# KiCad board LightBlue.kicad_pcb (continued)
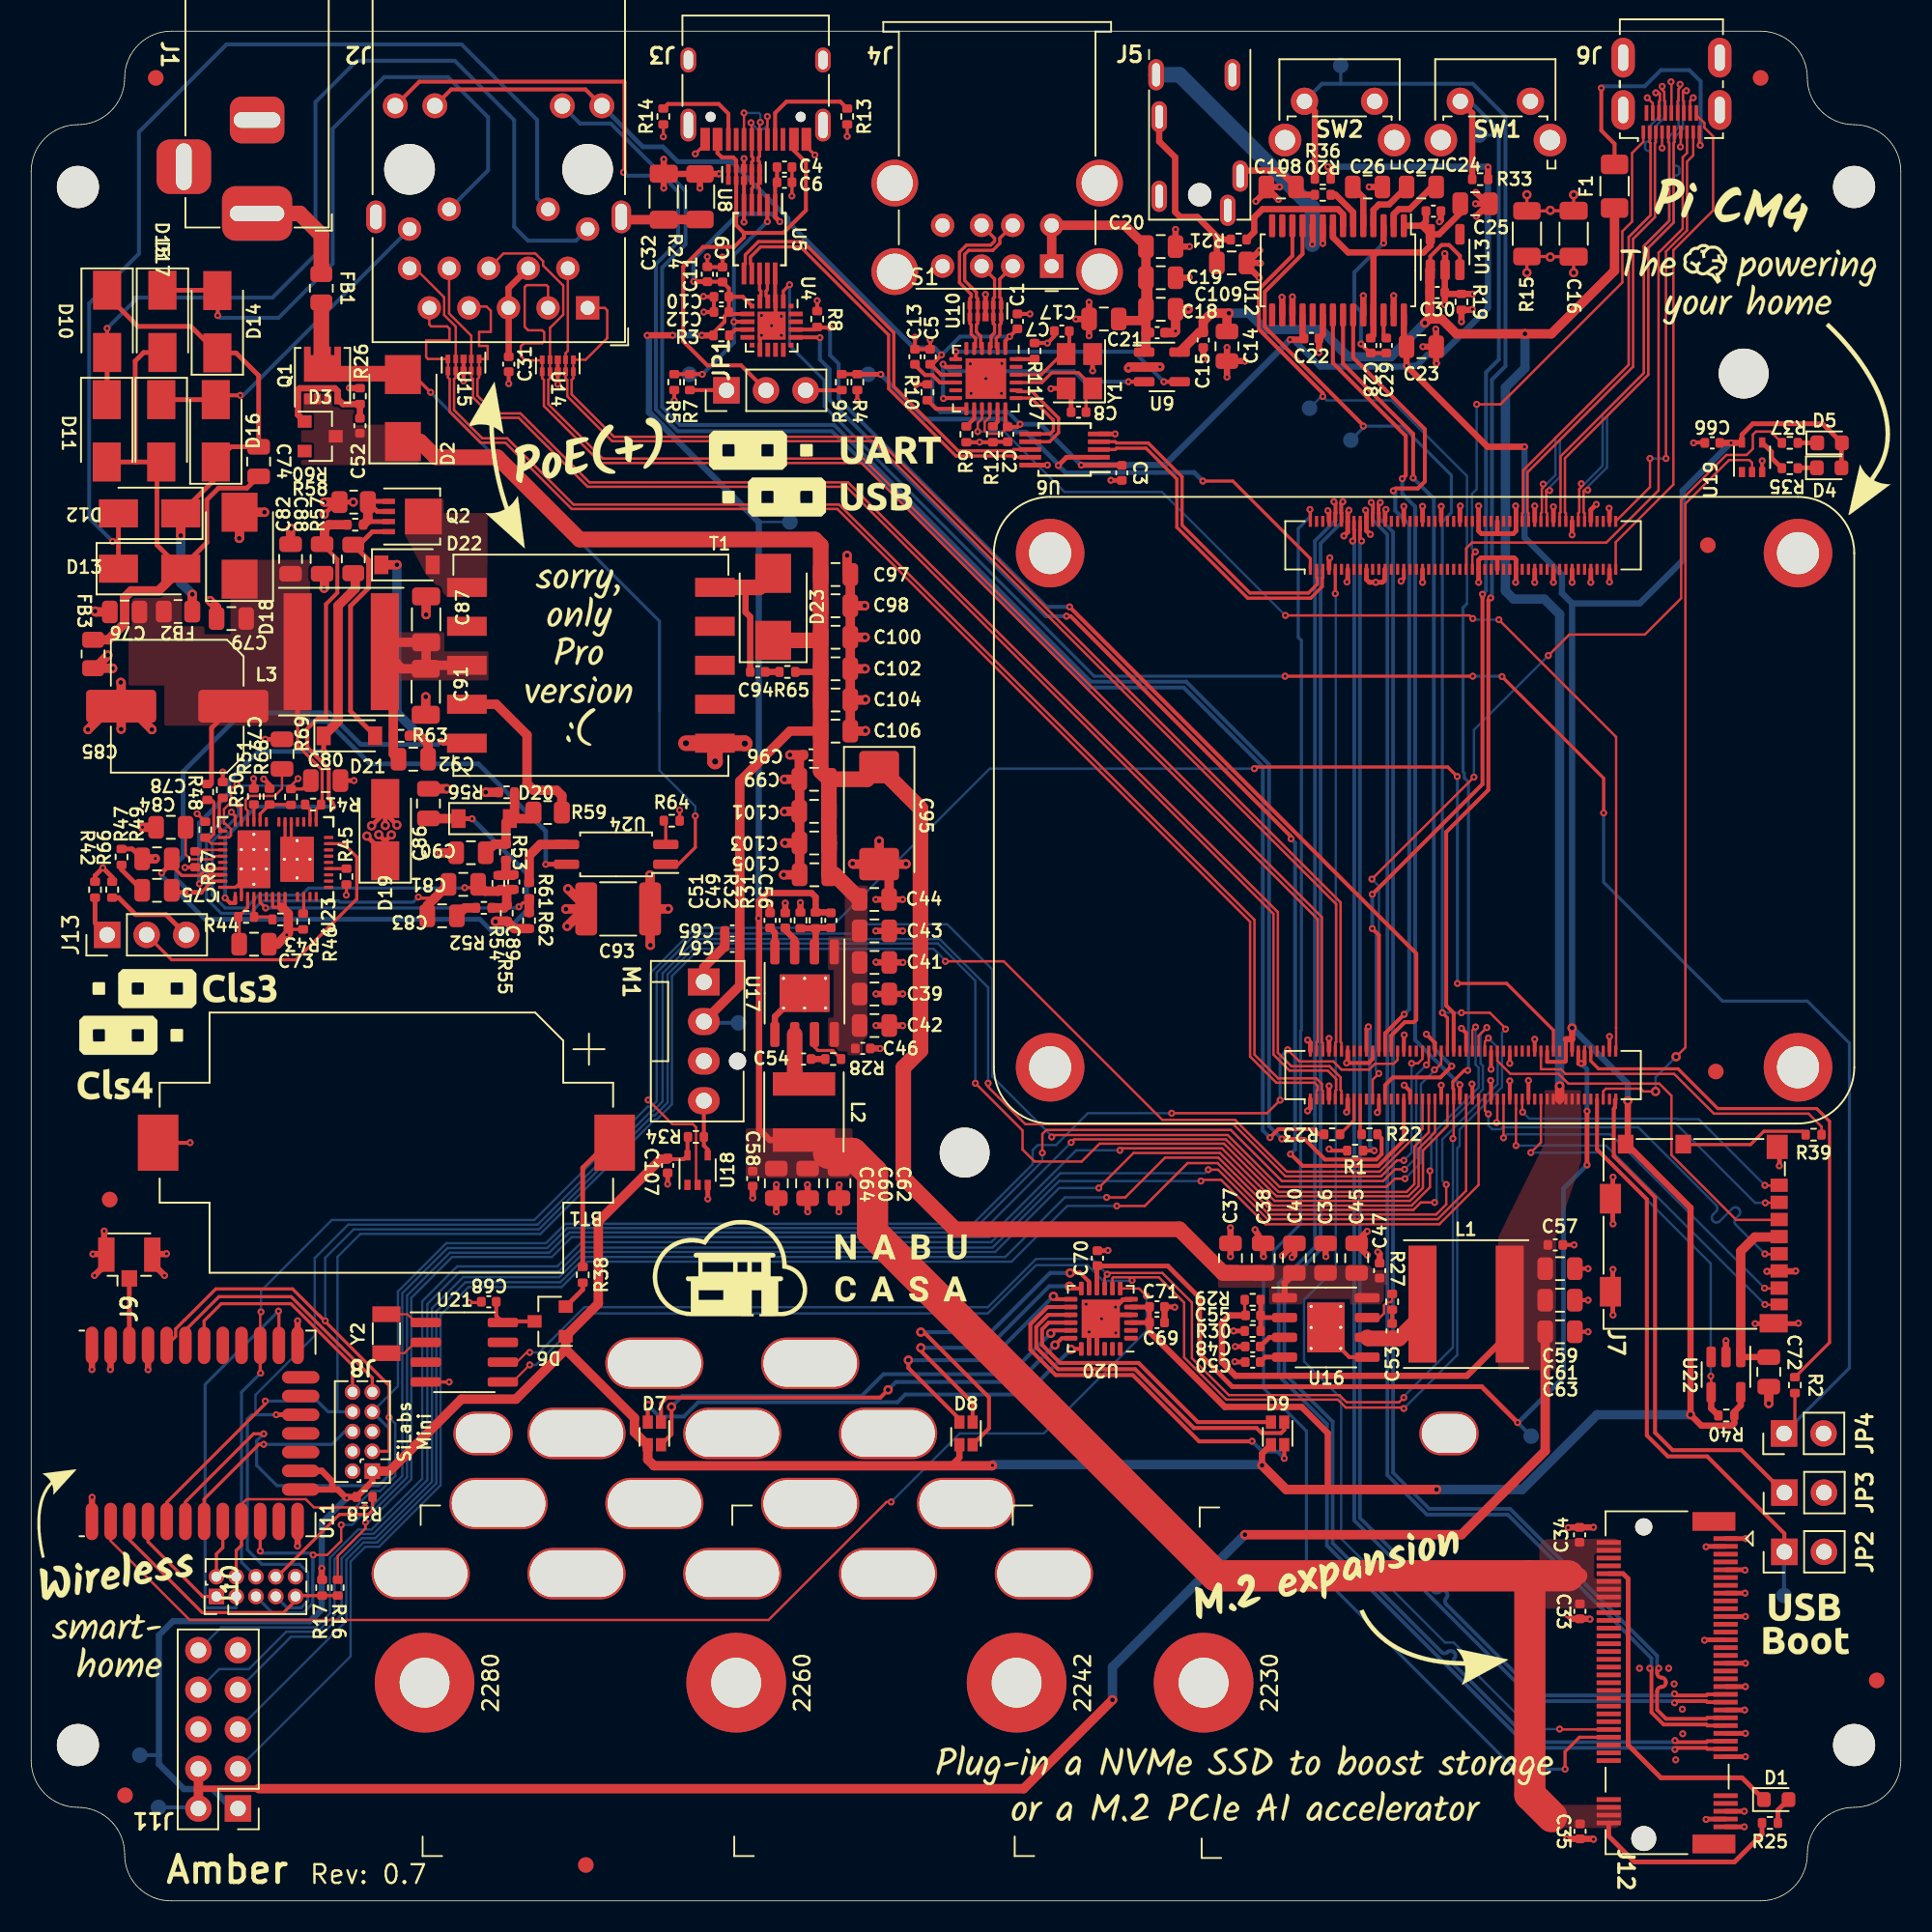
[diagram p0: board, top side]
## Routing (per net, layer and track width the routed paths; a pad name or vN(x,y) marks a point on that pad's centre or on a via; arc(x,y) is an arc through that point) (continued)
  Bottom w0.15: 10.73,13.54 12.06,14.88 13.98,14.88 16.37,17.27 18.39,17.27 19.48,18.36 19.48,21.92 21.1,23.55 21.97,23.55 25.42,27 25.42,38.3 27.52,40.4 33.88,40.4 35.4,41.92 61.7,41.92 65.97,46.2 v2(75.08,46.2)
/CM4/GPIO15: length 110.9
  Top w0.15: v2(75.55,46.92) 76.18,46.92 79.35,43.75 90.28,43.75 92.1,45.58 U1.51
  Bottom w0.15: J11.10 12.2,17.55 18.27,17.55 19.17,18.45 19.17,22.02 20.99,23.83 21.84,23.83 25.1,27.09 25.1,38.47 27.34,40.72 33.77,40.72 35.33,42.28 61.62,42.28 66.05,46.7 75.33,46.7 v2(75.55,46.92)
/CM4/HDMI.CEC: length 39
  Top w0.15: J6.15 106.28,112.18 106,111.9 106,107.33 104.45,105.78 104.45,90.53 101.1,87.17 92.47,87.17 92.1,86.8 U1.151
/CM4/HDMI.CLK+: length 32.8
  Top w0.154: v2(105.83,116.59) 105.83,116.38 105.73,116.28 105.73,115.56 105.68,115.5 J6.12 ; U1.188 99.3,89.07 99.36,89.12 99.36,90.61 99.5,90.74 v2(99.5,90.95)
  Bottom w0.154: v2(99.5,90.95) 99.71,90.95 100.86,92.11 100.86,95.43 103.51,98.08 103.51,106.21 105.13,107.83 105.13,113.23 105.73,113.83 105.73,116.28 105.83,116.38 v2(105.83,116.59)
/CM4/HDMI.CLK-: length 32.7
  Top w0.154: J6.14 106.07,115.5 106.02,115.56 106.02,116.17 106.03,116.18 v2(106.24,116.18) ; v2(99.9,90.55) 99.69,90.55 99.64,90.49 99.64,89.12 99.7,89.07 U1.190
  Bottom w0.154: v2(99.9,90.55) 99.9,90.76 101.14,91.99 101.14,95.32 103.79,97.97 103.79,106.09 105.42,107.72 105.42,110.57 arc(105.47,110.7) 105.6,110.75 arc(105.73,110.81) 105.79,110.94 105.79,111.17 arc(105.73,111.3) 105.6,111.35 arc(105.47,111.41) 105.42,111.54 105.42,113.12 106.02,113.72 106.02,116.17 106.03,116.18 v2(106.24,116.18)
/CM4/HDMI.D0+: length 27.9
  Top w0.154: U1.182 98.1,89.07 98.16,89.12 98.16,92.71 103.51,98.06 103.51,106.21 105.13,107.83 105.13,112.83 105.07,112.89 J6.9
/CM4/HDMI.D0-: length 27.9
  Top w0.154: U1.184 98.5,89.07 98.44,89.12 98.44,92.59 103.79,97.94 103.79,106.09 105.42,107.72 105.42,112.83 105.47,112.89 J6.11
/CM4/HDMI.D1+: length 33
  Top w0.154: v2(97.05,90.93) 97.05,90.72 96.96,90.63 96.96,89.12 96.9,89.07 U1.176 ; J6.6 104.47,115.5 104.53,115.56 104.53,115.99 104.48,116.05 v2(104.27,116.05)
  Bottom w0.154: v2(104.27,116.05) 104.48,116.05 104.53,115.99 104.53,114.56 103.96,113.98 103.96,113.11 arc(103.9,112.98) 103.77,112.92 arc(103.64,112.87) 103.59,112.73 103.59,112.51 arc(103.64,112.38) 103.77,112.32 arc(103.9,112.27) 103.96,112.13 103.96,108.21 102.53,106.78 102.53,98.58 97.83,93.88 97.83,91.51 97.26,90.93 v2(97.05,90.93)
/CM4/HDMI.D1-: length 33
  Top w0.154: J6.8 104.88,115.5 104.82,115.56 104.82,116.11 104.68,116.24 v2(104.68,116.45) ; v2(97.45,90.52) 97.24,90.52 97.24,90.52 97.24,89.12 97.3,89.07 U1.178
  Bottom w0.154: v2(104.68,116.45) 104.68,116.24 104.82,116.11 104.82,114.44 104.24,113.87 104.24,108.09 102.82,106.67 102.82,98.47 98.12,93.77 98.12,91.39 97.45,90.73 v2(97.45,90.52)
/CM4/HDMI.D2+: length 28.4
  Top w0.154: J6.3 103.88,112.89 103.93,112.83 103.93,108.18 102.53,106.78 102.53,98.58 95.76,91.81 95.76,89.12 95.7,89.07 U1.170
/CM4/HDMI.D2-: length 28.4
  Top w0.154: J6.5 104.28,112.89 104.22,112.83 104.22,108.07 102.82,106.67 102.82,98.47 96.04,91.69 96.04,89.12 96.1,89.07 U1.172
/CM4/HDMI.HPD: length 33.7
  Top w0.15: U1.153 92.5,86.4 v2(92.69,86.59) ; J6.1 103.47,112.9 102.75,112.17 102.75,107.78 102.13,107.15 102.13,103.88 94.3,96.05 v2(92.78,96.05)
  Bottom w0.15: v2(92.69,86.59) 92.47,86.8 92.47,89.75 92.48,89.75 92.48,90.3 92.78,90.6 v2(92.78,96.05)
/CM4/HDMI.SCL: length 27.6
  Top w0.15: v2(104.93,92.58) 104.93,105.86 106.28,107.21 106.28,111.63 106.68,112.03 J6.17 ; v2(103.9,92.58) 103.9,90.74 U1.200
  Bottom w0.15: v2(103.9,92.58) v2(104.93,92.58)
/CM4/HDMI.SDA: length 32.3
  Top w0.15: U1.199 101.7,87.2 105.4,90.9 105.4,105.94 107.95,108.49 107.95,113.25 107.39,113.81 107.39,114.11 106.88,114.62 J6.18
/CM4/PCIe.CLK+: length 102.2
  Top w0.238: v2(83.61,89.8) 83.72,89.69 83.72,89.08 83.7,89.07 U1.110 ; J12.55 107.59,9.75 107.52,9.82 105.61,9.82 v2(105.5,9.71)
  Bottom w0.238: v2(83.61,89.8) 83.72,89.69 83.72,88.6 82.39,87.28 82.39,55.48 82.4,55.48 82.4,50.47 82.39,50.47 82.39,41.95 80.07,39.63 80.07,33.7 83.17,30.6 83.17,22.8 96.15,9.82 105.39,9.82 v2(105.5,9.71)
/CM4/PCIe.CLK-: length 102.3
  Top w0.238: J12.53 107.59,10.25 107.52,10.18 105.61,10.18 v2(105.5,10.29) ; v2(84.19,89.8) 84.08,89.69 84.08,89.08 84.1,89.07 U1.112
  Bottom w0.238: v2(105.5,10.29) 105.39,10.18 96.3,10.18 91.34,15.15 arc(91.25,15.34) 91.34,15.54 arc(91.42,15.74) 91.34,15.94 91.31,15.97 arc(91.11,16.05) 90.91,15.97 arc(90.71,15.88) 90.52,15.97 83.53,22.95 83.53,30.75 80.43,33.85 80.43,39.47 82.76,41.8 82.76,50.32 82.76,50.32 82.76,55.63 82.76,55.63 82.76,87.12 84.08,88.45 84.08,89.69 v2(84.19,89.8)
/CM4/PCIe.RX+: length 93
  Top w0.238: v2(105.47,12.71) 105.58,12.82 107.52,12.82 107.59,12.75 J12.43 ; v2(84.81,87.28) 84.92,87.38 84.92,88 84.9,88.01 U1.116
  Bottom w0.238: v2(84.81,87.28) 84.92,87.17 84.92,24.42 96.52,12.82 105.37,12.82 v2(105.47,12.71)
/CM4/PCIe.RX-: length 93
  Top w0.238: J12.41 107.59,13.25 107.52,13.18 105.58,13.18 v2(105.47,13.29) ; U1.118 85.3,88.01 85.28,88 85.28,87.38 v2(85.39,87.28)
  Bottom w0.238: v2(85.39,87.28) 85.28,87.17 85.28,24.58 90,19.85 arc(90.2,19.77) 90.4,19.85 arc(90.6,19.94) 90.8,19.85 90.82,19.83 arc(90.91,19.63) 90.82,19.43 arc(90.74,19.23) 90.82,19.03 96.68,13.18 105.37,13.18 v2(105.47,13.29)
/CM4/PCIe.TX+: length 94.6
  Top w0.238: v2(86.01,89.75) 86.12,89.64 86.12,89.08 86.1,89.07 U1.122 ; J12.49 107.59,11.25 107.52,11.32 104.77,11.32 103.99,12.1 103.99,14.82 v2(103.89,14.93)
  Bottom w0.238: v2(86.01,89.75) 86.12,89.64 86.12,88.62 87.04,87.7 87.04,27.33 89.58,24.79 94.77,24.79 103.99,15.57 103.99,15.03 v2(103.89,14.93)
/CM4/PCIe.TX-: length 94.6
  Top w0.238: v2(86.59,89.75) 86.48,89.64 86.48,89.08 86.5,89.07 U1.124 ; J12.47 107.59,11.75 107.52,11.68 104.93,11.68 104.36,12.25 104.36,13.45 arc(104.44,13.65) 104.64,13.73 arc(104.84,13.81) 104.92,14.01 104.92,14.05 arc(104.84,14.25) 104.64,14.33 arc(104.44,14.41) 104.36,14.61 104.36,14.82 v2(104.46,14.93)
  Bottom w0.238: v2(86.59,89.75) 86.48,89.64 86.48,88.78 87.41,87.85 87.41,27.48 89.73,25.16 94.93,25.16 104.36,15.73 104.36,15.03 v2(104.46,14.93)
/CM4/PCIe.~{CLKREQ}: length 97.2
  Top w0.2: J12.52 99.38,10.5 98.45,9.57 v2(98.45,8.45) ; v2(82.08,89.3) 82.1,89.28 U1.102
  Bottom w0.2: v2(98.45,8.45) 95.22,8.45 81.85,21.82 81.85,30.15 79.1,32.9 79.1,40.22 79.78,40.9 79.78,41.75 81.47,43.45 81.47,55.83 81.53,55.88 81.53,80.9 81.33,81.1 81.33,88.08 82.08,88.83 v2(82.08,89.3)
/CM4/PCIe.~{RST}: length 86.7
  Top w0.15: v2(98.1,11.03) 98.12,11 J12.50
  Top w0.2: U1.109 v2(83.7,83.9)
  Bottom w0.15: v2(98.1,11.03) 96.3,11.03 92,15.32 92,15.88 91.3,16.57 90.75,16.57 84.08,23.25 84.08,32.25 81.7,34.63 81.7,38.56 83.11,39.97 83.28,39.97 83.73,40.43 83.73,83.87 v2(83.7,83.9)
/CM4/RESET_CM4: length 126.3
  Top w0.2: v2(100.93,69.83) 100.93,72.05 v2(94.4,78.58) ; R2.2 113.2,30.7 JP4.1 ; U4.2 48.28,103.33 v2(48.67,103.72) ; v2(80.47,78.6) v2(92.53,78.6)
  Bottom w0.2: v2(94.4,78.58) 94.38,78.6 v2(92.53,78.6) ; v2(48.67,103.72) 48.67,99.83 50.9,97.6 50.9,95.93 68.22,78.6 v2(80.47,78.6) ; JP4.1 116.7,34.2 116.7,55.05 114,57.75 108.55,57.75 100.93,65.38 v2(100.93,69.83)
/CM4/RUN_PG: length 34.9
  Top w0.2: R2.1 115.43,35.83 115.43,50.03 114.6,50.85 108.25,50.85 105.7,53.4 100.6,53.4 100.1,53.9 U1.92
/CM4/SD.CLK: length 26.8
  Top w0.15: v2(93.53,50.5) 93.3,50.72 U1.57 ; 112.34,41.5 111.29,41.5 v2(111.28,41.53)
  Bottom w0.15: v2(111.28,41.53) 109.41,43.39 109.37,43.43 109.33,43.54 109.33,43.66 109.37,43.77 109.41,43.81 109.6,44 109.64,44.04 109.68,44.15 109.68,44.27 109.64,44.38 109.6,44.42 109.55,44.46 109.45,44.51 109.33,44.51 109.22,44.46 109.17,44.42 108.38,43.63 108.33,43.59 108.22,43.54 108.11,43.54 108,43.59 107.95,43.63 107.91,43.67 107.87,43.78 107.87,43.9 107.91,44.01 107.95,44.05 108.14,44.24 108.18,44.28 108.22,44.39 108.22,44.51 108.18,44.62 108.14,44.66 103.15,49.65 94.45,49.65 94.32,49.52 93.78,49.52 93.53,49.78 v2(93.53,50.5)
/CM4/SD.CMD: length 25.3
  Top w0.15: 112.34,43.7 109.43,43.7 105.28,47.86 105.28,51.67 104.5,52.45 98.66,52.45 98.03,53.08 94.94,53.08 94.1,53.92 U1.62
/CM4/SD.D0: length 24.5
  Top w0.15: v2(111.25,39.33) 111.27,39.31 112.34,39.31 ; v2(94.5,48.97) U1.63
  Bottom w0.15: v2(94.5,48.97) 94.72,49.2 101.38,49.2 v2(111.25,39.33)
/CM4/SD.D1: length 24.3
  Top w0.15: v2(95.3,48.47) 95.3,48.48 95.3,50.83 95.3,50.83 U1.67 ; 112.34,38.25 111.29,38.25 v2(111.28,38.28)
  Bottom w0.15: v2(111.28,38.28) 101.07,48.47 v2(95.3,48.47)
/CM4/SD.D2: length 19.4
  Top w0.15: 112.34,45.91 111.29,45.91 v2(111.28,45.92) ; v2(95.72,50.62) 95.7,50.65 U1.69
  Bottom w0.15: v2(111.28,45.92) 107.03,50.17 105.67,50.17 105.64,50.2 96.15,50.2 v2(95.72,50.62)
/CM4/SD.D3: length 22
  Top w0.15: 112.34,44.81 111.31,44.81 v2(111.3,44.8) ; v2(94.05,49.95) 94.1,50 94.1,51.46 U1.61
  Bottom w0.15: v2(111.3,44.8) 110.65,44.8 105.52,49.93 94.07,49.93 v2(94.05,49.95)
/CM4/SD.DET: length 21.2
  Top w0.15: R39.2 114.91,49.69 114.07,50.53 108,50.53 105.45,53.08 98.47,53.08 98.18,53.38 96.92,53.38 96.9,53.4 U1.76
/CM4/SD.PWR: length 28.2
  Top w0.15: 107.82,32.64 107.82,33.65 v2(107.8,33.67) ; U1.75 96.9,48.67 v2(96.25,48.03)
  Top w0.4: 107.82,32.64 107.82,31.61 R40.2
  Bottom w0.15: v2(107.8,33.67) 107.8,40.9 100.68,48.03 v2(96.25,48.03)
/CM4/~{EXTRST}: length 70.8
  Top w0.15: v2(80.5,82.5) 92.33,82.5 v2(92.53,82.3) ; U1.100 101.7,54.65 101.73,54.68 101.73,56.05 101.72,56.05 101.72,74.7 v2(94.2,82.22) ; U7.15 61.03,95.13 60.75,94.85 v2(60.75,94.3)
  Bottom w0.15: v2(94.2,82.22) 92.6,82.22 v2(92.53,82.3) ; v2(80.5,82.5) 72.58,90.42 66.32,90.42 62.44,94.3 v2(60.75,94.3)
/CM4/~{FAN_PWM}: length 95.3
  Top w0.15: U18.2 42.67,46.05 42.67,49.65 42.47,49.85 41.15,49.85 v2(39.6,51.4)
  Top w0.2: v2(91.53,72.16) 90.92,72.77 78.61,72.77 v2(78.51,72.67) ; v2(91.54,58.88) 94.7,58.88 97.7,55.88 U1.80
  Bottom w0.15: v2(78.51,72.67) 61.52,72.67 51.31,62.45 42.63,62.45 39.72,59.54 39.72,51.53 v2(39.6,51.4)
  Bottom w0.2: v2(91.53,72.16) 91.54,72.15 v2(91.54,58.88)
/CM4/~{LED_ACT}: length 59.1
  Top w0.15: U1.21 86.1,52.7 v2(86.5,53.1) ; v2(86.05,65.58) v2(92.6,72.12) ; v2(97.38,79.92) 98.72,81.28 103.57,81.28 105.9,83.6 105.9,89.9 108.8,92.8 110.1,92.8 110.5,93.2 110.5,94.1 110.7,94.3 111.64,94.3 R37.2
  Bottom w0.15: v2(86.5,53.1) 86.3,53.3 86.3,61.92 86.5,62.13 86.5,65.12 v2(86.05,65.58) ; v2(92.6,72.12) 92.6,75.15 v2(97.38,79.92)
/CM4/~{LED_PWR}: length 48.6
  Top w0.15: U19.2 110.45,92.3 110.28,92.47 108.97,92.47 106.18,89.67 106.18,54.78 v1(105.57,54.17) ; v1(104.26,51.95) 103.48,51.95 103.3,52.12 101.06,52.12 100.9,51.96 U1.95
  Bottom w0.15: v1(104.26,51.95) 104.26,52.86 v1(105.57,54.17)
/CM4/~{RPI_BOOT}: length 38.3
  Top w0.25: U1.93 100.5,48.22 103.7,45.03 103.7,29.88 105.05,28.53 107.57,28.53 112.53,23.58 JP2.1
  Bottom w0.25: JP2.1 112.5,22.38 TP1.1
/CM4/~{SW_USER}: length 72.5
  Top w0.25: v2(93.15,83.86) 93.15,83.63 93.15,83.63 93.15,71.67 v2(86.08,64.6) ; U1.24 86.5,61.97 v2(86.08,62.4)
  Top w0.4: R33.1 92.49,114.73 SW1.1
  Bottom w0.2: 94.2,113.28 94.15,113.33 TP4.1
  Bottom w0.25: v2(93.15,83.86) 93.38,84.09 93.38,98.1 94.2,98.92 94.2,113.65 92.35,115.5 SW1.1 ; v2(86.08,62.4) v2(86.08,64.6)
/CM4/~{SW_WIPE}: length 82.4
  Top w0.25: U1.48 91.3,56.98 90.82,57.46 90.82,68.59 93.53,71.3 93.53,83.47 v2(93.67,83.62)
  Top w0.4: SW2.1 82.39,114.84 R36.1
  Bottom w0.2: 84.03,116.63 84.05,116.65 TP5.1
  Bottom w0.25: v2(93.67,83.62) 93.75,83.7 93.75,97.63 94.62,98.5 94.62,114.53 92.52,116.63 82.85,116.63 SW2.1
/Ethernet/ETH_SHLD: length 42.2
  Top w0.6: J2.SH 38.06,107.9 C32.1 40.61,107.91 R24.2
  In2.Cu w0.4: J2.SH 21.44,108.77 21.44,116.77 22.57,117.9 38.18,117.9 39.33,116.75 39.33,109.53 J2.SH
/Ethernet/VC1: length 57.5
  Top w0.25: v2(4.88,100.92) D10.2
  Top w0.3: D10.2 4.88,96.38 D11.1
  Bottom w0.25: J2.11 34.97,106.55 31.89,106.55 31,107.44 31,114.29 27.19,118.1 20.9,118.1 18.25,115.45 18.25,105.66 15.49,102.9 6.68,102.9 6.68,102.73 v2(4.88,100.92)
/Ethernet/VC2: length 68.1
  Top w0.25: 5.6,87.3 5.27,87.3 v2(5.23,87.25)
  Top w0.3: D12.2 D13.1
  Bottom w0.25: J2.12 32.48,109.27 32.48,114.3 27.62,119.15 12.54,119.15 6.92,113.53 6.92,105.72 3.73,102.53 3.73,88.75 v2(5.23,87.25)
/Ethernet/VC3: length 42
  Top w0.25: v2(11.98,101.75) 11.98,103.33 D14.2
  Top w0.3: D14.2 11.92,103.38 D15.1
  Bottom w0.25: v2(11.98,101.75) 12.13,101.6 15.88,101.6 19.35,105.08 19.35,113.74 22.66,117.05 26.76,117.05 29.33,114.48 29.33,111.07 J2.13
/Ethernet/VC4: length 20.5
  Top w0.25: v2(13.43,96.62) 12.12,96.62 D16.2
  Top w0.3: D17.1 D16.2
  Bottom w0.25: v2(13.43,96.62) 13.44,96.63 13.62,96.63 24.28,107.3
/PoE/APD: length 18.8
  Top w0.2: v2(15.05,63.72) 14.7,64.08 U23.5 ; 31.97,64.06 31.56,64.06 v2(31.3,63.8)
  Top w0.6: R61.2 31.97,63.43 R62.1
  Bottom w0.2: v2(15.05,63.72) 31.23,63.72 v2(31.3,63.8)
/PoE/CLS: length 20.6
  Top w0.2: J13.2 9.02,60.4 17,60.4 20.9,64.3 20.9,67 20.05,67.85 U23.21
/PoE/COMP: length 25.1
  Top w0.2: v2(24.85,64.42) 24.92,64.35 25.9,64.35 ; v2(12.85,69.88) 13.09,69.63 U23.35
  Top w0.6: C81.2 25.42,63.88 C83.2
  Bottom w0.2: v2(24.85,64.42) 24.52,64.1 19.8,64.1 19.72,64.18 14.83,64.18 14.03,63.38 12.2,63.38 11.25,64.33 11.25,68.27 v2(12.85,69.88)
/PoE/CP: length 34.4
  Top w0.2: 9.16,64.72 10.92,64.72 11.64,65.45 U23.44
  Top w0.3: T1.1 26.42,74.3 v2(26.3,74.42) ; 10.92,64.72 v2(10.17,64.72) 9.16,64.72 9.02,64.86
  Bottom w0.3: v2(10.17,64.72) 9.33,65.58 9.33,66.6 9.75,67.03 9.75,72.47 13.52,76.25 19.12,76.25 21.15,74.22 26.1,74.22 v2(26.3,74.42)
/PoE/CS: length 34.3
  Top w0.25: U23.1 13.09,64.05 12.77,64.05 v2(12.44,64.37) ; v2(19.35,70.22) 19.35,70.49 19.1,70.74 19.1,72.65 17.73,74.03 17.73,75.23 18.45,75.95 18.92,75.95 18.92,83.22 19.65,83.95 19.65,86.1 C88.1
  Top w0.6: 18.83,87.08 18.83,88.05 19.1,88.33 R58.1
  Bottom w0.25: v2(12.44,64.37) 12.45,64.38 12.45,68.24 14.44,70.22 v2(19.35,70.22)
/PoE/DC_IN_F: length 50.7
  Top w0.2: D2.2 24.5,97.96 v2(25.64,96.82) ; v2(42.62,69.64) 42.62,67.61 41.55,66.53 U24.1
  Top w1: FB1.2 18.62,98.05 18.66,98.02 23.8,98.02 D2.2
  Bottom w0.15: v2(42.62,69.64) 42.62,70.25 40.33,72.55 40.33,76.39
  Bottom w0.2: v2(25.64,96.82) 40.33,82.14 40.33,76.39
/PoE/DTHR: length 3.3
  Top w0.2: C73.1 13.35,63.09 R44.1 13.9,63.75 U23.3
/PoE/FB: length 30.4
  Top w0.2: v2(13.27,70.38) 13.47,70.18 13.47,69.27 U23.34 ; v2(27.83,65.03) 28.47,65.03 C81.1
  Top w0.6: 30.59,64.91 30.52,64.84 R55.1 30.35,63.73 R52.1 ; 30.59,64.91 C89.2 ; 30.59,64.91 30.09,64.91 R54.2 29.12,64.8 C81.1
  Bottom w0.2: v2(27.83,65.03) 27.8,65 17.8,65 17.35,64.55 14.6,64.55 13.77,63.72 12.45,63.72 11.62,64.55 11.62,68 13.3,69.68 13.3,70.35 v2(13.27,70.38)
/PoE/LINEUV: length 4.2
  Top w0.15: U23.38 11.56,67.85 R49.1
  Top w0.2: 11.58,70.66 11.72,70.51 11.72,68.47 11.49,68.24 R49.1
/PoE/N1B: length 16.9
  Top w0.6: 25.35,79.1 C87.1 23.3,80.78 L3.2 23.8,79.08 25.33,79.08 25.55,79.3 T1.3 ; 23.24,79.64 R63.1 23.24,73.61 23.58,73.28
/PoE/V_{REG}: length 6.8
  Top w0.6: D20.2 30.48,69.21 R53.1 29.73,67.82 C90.1 ; D20.2 31.02,69.76 R56.1 ; D20.2 31.85,69.46 R59.1
/PoE/VB: length 11
  Top w0.15: U23.37 12.7,68.25 12.83,68.38 12.83,68.78 12.48,69.12 12.4,69.12 12.38,69.15 12.38,70.06 12.83,70.51 12.83,71.47 13.02,71.47 v2(13.2,71.65) ; R69.2 16.67,71.58 v2(17.12,72.03)
  Top w0.2: R69.2 17.41,71.36 C80.1
  Bottom w0.15: v2(17.12,72.03) 16.67,71.57 13.28,71.57 v2(13.2,71.65)
/SCL: length 155.1
  Top w0.127: v2(32,35.2) 31.8,35.2 31.17,34.58 30.27,34.58
  Top w0.15: v2(88.1,32.3) 87.8,32 84.42,32 83.97,32.46 76.87,32.46 74.5,34.83 74.5,38.4 72.6,40.3 69.21,40.3 68.9,39.99 U20.9 ; 91.2,48.97 v2(91.25,48.92) 91.3,48.97 U1.47 ; v2(69.06,40.22) 69.06,40.15
  Top w0.2: U1.47 91.3,52.1 91.25,52.15 91.25,52.57 91.97,53.3 v2(92.2,53.3)
  Top w0.25: v2(82.9,96.55) 82.9,96.76 78.8,100.86 78.8,103.43 80.95,105.58 U12.12
  Bottom w0.15: 92.15,83.25 92.15,91.45 87.3,96.3 83.15,96.3 v2(82.9,96.55) 82.8,96.55 TP11.1 ; v2(91.25,48.92) 91.25,35.53 88.1,32.38 v2(88.1,32.3) ; v2(69.06,40.22) 68.08,41.2 64.5,41.2 61.4,38.1 35.5,38.1 32.6,35.2 v2(32,35.2)
  Bottom w0.2: 92.15,83.25 91.9,83 91.9,72.46 91.98,72.38 91.98,72.08 92.25,71.81 92.25,53.35 v2(92.2,53.3)
/SDA: length 162.7
  Top w0.127: U21.5 30.91,33.31 v2(32,34.4)
  Top w0.15: v2(94.62,55.95) 94.62,56 93.62,57 v2(91.8,57) ; v2(88.1,31.6) 88.04,31.66 84.37,31.66 83.86,32.17 76.71,32.17 74,34.88 74,38.4 72.38,40.02 70.51,40.02 ; 70.51,40.02 69.46,40.02 69.4,39.96 U20.8 ; 70.51,40.02 70.51,39.97 v2(70.66,39.82)
  Top w0.2: U1.46 90.9,56.67 v2(90.58,57)
  Top w0.25: U12.11 81.6,105.7 79.17,103.28 79.17,101.02 85.5,94.7 v2(85.5,94.65)
  Bottom w0.15: v2(70.66,39.82) 70.63,39.79 68.81,39.79 67.8,40.8 64.5,40.8 61.4,37.7 35.7,37.7 32.4,34.4 v2(32,34.4) ; v2(90.58,57) v2(91.8,57) ; v2(94.62,55.95) 94.4,55.73 94.4,54.45 94.4,54.45 94.4,52.23 91.68,49.5 91.68,48.45 91.53,48.3 91.53,35.03 v2(88.1,31.6)
  Bottom w0.2: TP12.1 85.5,94.55 v2(85.5,94.65) 88,94.65 91.15,91.5 91.15,89.1 90.58,88.53 v2(90.58,57)
/SDCard/SD_+3V3: length 11.6
  Top w0.4: C72.1 109.74,34.9
  Top w0.6: 112.34,42.61 110.63,42.61 109.72,41.7 U22.1
/USB/CP.D+: length 1.5
  Top w0.206: U5.9 47.25,103.4 47.17,103.32 47.17,102.98
/USB/CP.D-: length 1.5
  Top w0.206: U5.8 46.75,103.4 46.83,103.32 46.83,102.98
/USB/HUB.D+: length 6.5
  Top w0.206: U6.7 65.36,93.65 65.94,94.23 65.94,95.17 64.24,96.87 63.3,96.87 U7.20
/USB/HUB.D-: length 5.2
  Top w0.206: U7.19 64.19,96.45 65.61,95.03 65.61,94.37 65.39,94.15 U6.6
/USB/MUX2_SEL: length 16.1
  Top w0.25: v2(45.1,101.34) 45.11,101.35 U4.8 ; v2(43.08,97.97) 43.06,97.98 R7.2 R5.1 ; v2(47.25,107.78) U5.2
  Bottom w0.2: v2(43.08,97.97) TP2.1
  Bottom w0.25: v2(43.08,97.97) 45.1,100 v2(45.1,101.34) 45.1,105.63 v2(47.25,107.78)
/USB/OTG.D+: length 26.9
  Top w0.206: U6.9 63.07,92.65 62.99,92.73 59.36,92.73 55.03,97.06 55.03,100.51 49.38,106.16 46.82,106.16 46.17,105.51 46.17,105.08 46.25,105 U5.7
/USB/OTG.D-: length 27.5
  Top w0.206: U5.6 45.75,105 45.83,105.08 45.83,105.64 46.68,106.49 49.52,106.49 55.37,100.64 55.37,97.19 59.49,93.07 62.99,93.07 63.07,93.15 U6.8
/USB/USB0.D+: length 5.8
  Top w0.206: U7.3 61.61,99.72 61.61,100.42 61.83,100.64 61.83,101.16 61.75,101.24 U10.4 U10.7 61.75,102.84 61.83,102.92 61.83,104.09 J4.3
/USB/USB0.D-: length 5.8
  Top w0.206: U7.2 61.94,99.72 61.94,100.28 62.17,100.51 62.17,101.16 62.25,101.24 U10.5 U10.6 62.25,102.84 62.17,102.92 62.17,104.09 J4.2
/USB/USB1.D+: length 10.6
  Top w0.206: J4.7 61.83,106.71 61.83,106.52 61.58,106.27 60.03,106.27 59.58,105.82 59.58,103.86 60.33,103.11 60.33,102.92 60.25,102.84 U10.10 U10.1 60.25,101.24 60.33,101.16 60.33,100.56 60.61,100.28 60.61,99.72 U7.5
/USB/USB1.D-: length 10.6
  Top w0.206: U7.4 60.94,99.72 60.94,100.42 60.67,100.69 60.67,101.16 60.75,101.24 U10.2 U10.9 60.75,102.84 60.67,102.92 60.67,103.24 59.92,103.99 59.92,105.68 60.17,105.93 61.72,105.93 62.17,106.38 62.17,106.71 J4.6
/USB/USB-C.D+: length 8.7
  Top w0.15: v2(46.8,114.15) 46.75,114.1 J3.A6 ; J3.B6 v2(45.75,114.75)
  Top w0.206: U8.10 46.75,110.29 46.67,110.21 46.67,109.98 46.75,109.9 U5.3 ; J3.A6 46.75,111.97 46.67,111.88 46.67,111.68 46.75,111.6 U8.1
  Top w0.3: U8.10 U8.1
  Bottom w0.15: v2(46.8,114.15) 46.8,114.65 46.7,114.75 v2(45.75,114.75)
/USB/USB-C.D-: length 8.8
  Top w0.15: J3.B7 v2(47.25,114.53) ; v2(46.2,114.12) 46.25,114.1 J3.A7
  Top w0.206: U8.9 46.25,110.29 46.33,110.21 46.33,109.98 46.25,109.9 U5.4 ; J3.A7 46.25,111.97 46.33,111.88 46.33,111.68 46.25,111.6 U8.2
  Top w0.3: U8.9 U8.2
  Bottom w0.15: v2(46.2,114.12) 46.2,114.12 46.6,113.72 47,113.72 47.25,113.97 v2(47.25,114.53)
/USB/USB_PWR_EN: length 15.6
  Top w0.25: v2(72.7,97.5) U9.4 ; U7.7 59.34,99.41 v2(59.35,99.42)
  Bottom w0.25: v2(72.7,97.5) 70.78,99.42 v2(59.35,99.42)
/USB/~{USB_OC}: length 17.3
  Top w0.25: v2(58.55,96.42) 58.58,96.45 U7.12 ; v2(70.42,97.5) U9.3 ; U7.8 58.7,98.45 v2(58.53,98.62)
  Bottom w0.25: v2(58.55,96.42) 58.53,96.45 v2(58.53,98.62) 58.98,98.17 60.5,98.17 60.51,98.18 66.92,98.18 67.6,97.5 v2(70.42,97.5)
Earth: length 5.1
  Top w0.2: v1(99,109.5) C16.1 97.53,108.47 v1(97.5,108.5) 97.46,108.46 R15.2 v1(96,109.5)
Net-(BT1-Pad1): length 8.6
  Top w0.3: 37.02,48.66 35.4,47.04 R38.2
Net-(C7-Pad1): length 5.3
  Top w0.2: 66.42,99.28 66.15,99.28 64.83,97.95 U7.22
  Top w0.25: 66.42,99.28 66.63,99.48 C7.1
Net-(C8-Pad1): length 7.3
  Top w0.2: C8.1 67.7,96.66 68.12,97.08 68.12,97.17 67.22,98.08 65.5,98.08 64.88,97.45 U7.21
Net-(C13-Pad1): length 3.1
  Top w0.25: U7.10 58.33,97.45 57.85,97.92 57.38,97.92 56.72,98.58 C13.1
Net-(C26-Pad1): length 2.8
  Top w0.4: U12.5 85.5,109.33 C26.1
Net-(C27-Pad1): length 4.2
  Top w0.4: U12.2 87.45,108.25 87.78,108.58 88.48,108.58 89.9,110 C27.1
Net-(C27-Pad2): length 3.7
  Top w0.4: U12.4 86.15,108.53 86.5,108.88 87.15,108.88 88.28,110
Net-(C29-Pad2): length 1.6
  Top w0.25: U12.26 86.8,100.48 C29.2
Net-(C31-Pad2): length 6.2
  Top w0.4: J2.4 30.63,103.51 J2.5 30.65,102.22 C31.2
Net-(C48-Pad1): length 1.8
  Top w0.3: C48.1 79.47,36.17 U16.3
Net-(C49-Pad1): length 1.8
  Top w0.4: U17.3 49,61.72 48.4,62.32 C49.1
Net-(C50-Pad1): length 1.7
  Top w0.3: 80.45,34.9 79.2,34.9 C50.1
Net-(C51-Pad1): length 1.7
  Top w0.4: C51.1 47.73,62.14 U17.4
Net-(C52-Pad2): length 7.8
  Top w0.4: 21.1,95.16 21.1,96.06 20.01,96.06 Q1.4 19.67,96.9 19.5,97.08 17.23,97.08 17.12,96.97 17.12,95.38 D3.2
Net-(C53-Pad1): length 5
  Top w0.3: 85.78,36.19 U16.6
  Top w1: U16.6 85.82,36.09 C53.1 87.79,36.09 89.45,37.75 89.45,38.3
Net-(C53-Pad2): length 0.9
  Top w0.25: C53.2 R27.2
Net-(C54-Pad1): length 6.8
  Top w0.6: U17.6 49,54.12 C54.1 49.09,52.94 L2.1
  Top w1: U17.6 49,53.03 L2.1
Net-(C54-Pad2): length 0.9
  Top w0.4: R28.2 C54.2
Net-(C55-Pad2): length 3.6
  Top w0.3: U16.2 79.05,37.44 C55.2 78.91,37.58 R29.1 ; R30.2 78.91,37.57
Net-(C56-Pad2): length 3.5
  Top w0.4: U17.2 50.35,60.98 R31.1 ; R31.1 50.38,62.45 C56.2 ; R31.1 R32.2
Net-(C68-Pad1): length 3.6
  Top w0.25: D6.3 30.35,37.19 U21.8 29.85,37.54 C68.1
Net-(C74-Pad1): length 31.9
  Top w0.3: D12.1 11.85,91.3 D16.1 12.83,93.33 C74.1 14.6,97.9 13.15,99.35 D14.1 10.25,101.05 6.85,101.05 4.88,103.03 D10.1 ; 10.35,82.76 FB2.1
  Top w0.6: v1(9.6,87.62) D12.1 ; FB2.1 10.34,83.84 v1(10.35,83.85)
  Bottom w0.3: 9.6,84.58 10.35,83.83
  Bottom w0.6: v1(9.6,87.62) 9.6,84.58 9.62,84.58 v1(10.35,83.85)
Net-(C74-Pad2): length 37.1
  Top w0.3: 6.73,92.35 6.67,92.4 6.67,98.83 7.23,99.38 D15.2 ; 6.73,92.35 D17.2 8.07,92.07 8.07,87.03 D13.2 11.27,87.17 11.27,89.92 12.03,90.67 13.85,90.67 C74.2 ; 6.73,92.35 D11.2
  Top w0.6: D13.2 8.17,84.08 6.42,84.08 6,83.65 6,81.99 4.95,80.94 FB3.1
Net-(C75-Pad2): length 2.2
  Top w0.3: R47.1 5.8,66.19 C75.2
Net-(C77-Pad2): length 5.3
  Top w0.15: U23.33 13.9,69.97 13.77,70.09 13.77,70.65 14.04,70.91 15.63,70.91 16.1,71.38 C77.2
Net-(C78-Pad1): length 4.3
  Top w0.15: C78.1 9.91,67.16 10.23,66.85 11.6,66.85 11.8,67.05 U23.40
Net-(C83-Pad1): length 1.4
  Top w0.6: C83.1 27.84,63.73 R52.2
Net-(C89-Pad1): length 2
  Top w0.6: R53.2 30.48,65.88 30.53,65.82 ; C89.1 30.92,65.82 30.53,65.82 ; R54.1 30.53,65.82
Net-(C92-Pad1): length 15
  Top w0.6: R63.2 24.28,74.8 v1(24.92,74.8) 25.48,74.25 C92.1 ; D22.1 v1(23.48,85.75)
  Bottom w0.6: v1(24.92,74.8) 23.48,76.25 v1(23.48,85.75)
Net-(C94-Pad1): length 9.7
  Top w0.4: 45.85,84.3 45.85,82.71 46.15,82.41 46.15,78.88 C94.1
  Top w1: T1.6 46.72,84.3 D23.2
Net-(C94-Pad2): length 0.9
  Top w0.4: C94.2 R65.1
Net-(C108-Pad2): length 5.6
  Top w0.4: J5.T 77.95,111.05 80.12,111.05 C108.2 81.67,109.5 R20.2
Net-(C109-Pad1): length 12.5
  Top w0.4: 76.15,106.78 76.1,106.72 C109.1 ; J5.R1 72.4,112.92 73.42,111.9 73.42,108.4 73.75,108.08 74.85,108.08 76.3,106.62 R21.2
Net-(D1-Pad1): length 22.2
  Top w0.3: D1.1 109.81,7.9 104.6,7.9 102.5,10 102.5,20.67 102.17,21 J12.10
Net-(D1-Pad2): length 1.8
  Top w0.3: D1.2 112.11,5.82 R25.2
Net-(D4-Pad1): length 1.2
  Top w0.3: D4.1 113.41,91.97 R35.1
Net-(D5-Pad1): length 1.3
  Top w0.3: D5.1 R37.1
Net-(D6-Pad2): length 2
  Top w0.3: R38.1 35.4,39.23 D6.2
Net-(D7-Pad1): length 31
  Top w0.25: v1(39.6,31.8) 39.58,31.78 D7.1 ; v1(66.73,35.4) 66.76,35.42 U20.19
  Bottom w0.25: v1(66.73,35.4) 63.84,32.5 56.1,32.5 55.6,32 42.81,32 41.89,31.08 40.32,31.08 v1(39.6,31.8)
Net-(D7-Pad2): length 29.2
  Top w0.25: v1(55,32.8) 54.5,32.3 40.8,32.3 40.42,31.92 D7.2 ; v1(65.71,35.67) 66.15,36.11 U20.18
  Bottom w0.25: v1(65.71,35.67) 63.34,33.3 55.5,33.3 v1(55,32.8)
Net-(D7-Pad3): length 30.4
  Top w0.25: D7.3 41.1,29.95 v1(41.1,31.7) ; U20.17 65.62,36.61 v1(65.44,36.42)
  Bottom w0.25: v1(41.1,31.7) 41.8,32.4 53.3,32.4 54.7,33.8 62.81,33.8 v1(65.44,36.42)
Net-(D8-Pad1): length 17.5
  Top w0.25: v1(65.61,38.8) 65.8,38.61 U20.13 ; D8.1 59.58,30.92 56.3,34.2 v1(56.3,34.7)
  Bottom w0.25: v1(65.61,38.8) 65.6,38.8 61.5,34.7 v1(56.3,34.7)
Net-(D8-Pad2): length 18.1
  Top w0.25: v1(66.64,39.45) 66.78,39.3 U20.12 ; v1(57.1,35.5) 57.1,35.3 60.42,31.97 D8.2
  Bottom w0.25: v1(57.1,35.5) 61.4,35.5 65.35,39.45 v1(66.64,39.45)
Net-(D8-Pad3): length 22.6
  Top w0.25: U20.11 67.9,39.74 67.31,40.32 66.71,40.32 v1(66.69,40.3) ; D8.3 61.47,30.33 61.47,32.32 57.29,36.5 v1(57.1,36.5)
  Bottom w0.25: v1(57.1,36.5) 61.6,36.5 65.4,40.3 v1(66.69,40.3)
